# KiCad board musa.kicad_pcb (continued)
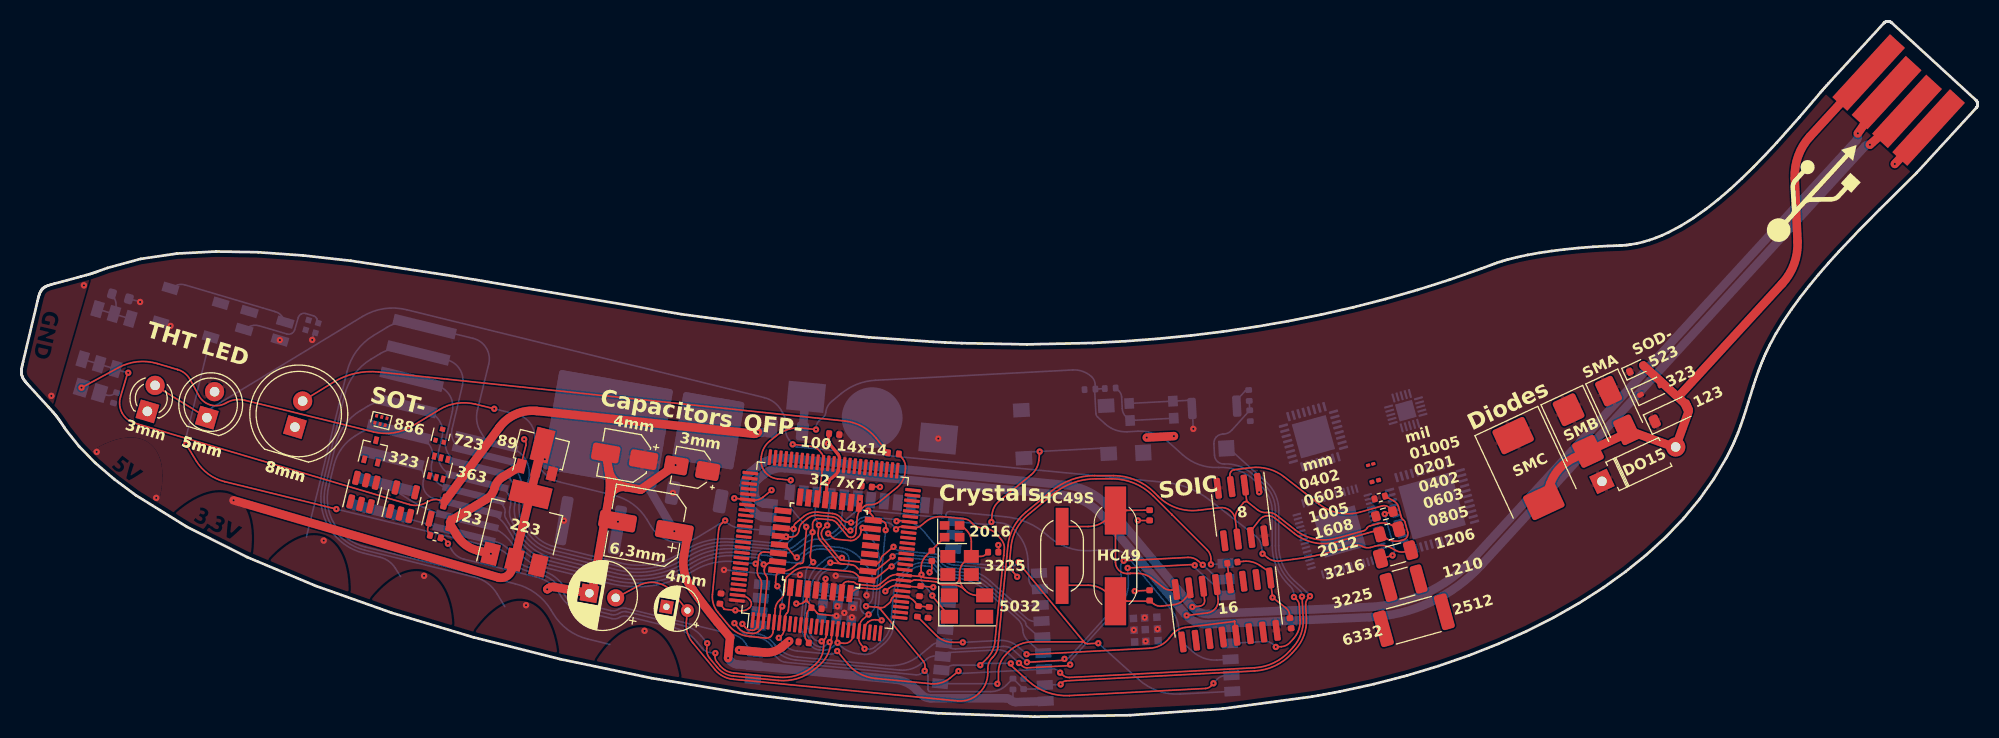
[diagram p0: board, top side]
## Routing (per net, layer and track width the routed paths; a pad name or vN(x,y) marks a point on that pad's centre or on a via; arc(x,y) is an arc through that point) (continued)
SW2: length 85.2
  Top w0.15: v1(87.78,4.27) 87,3.62 arc(86.16,3.17) 85.21,3.08 79.96,3.58 arc(78.55,4.01) 77.41,4.94 v1(76.42,6.14) ; v1(97.3,4.12) 97.56,3.88 arc(97.84,3.72) 98.16,3.67 115.49,4.58 arc(117.31,5.04) 118.81,6.16 119.12,6.5 arc(119.86,7.74) 120.06,9.17 119.96,11.23 arc(119.96,11.24) 119.95,11.24 v1(119.95,11.24) ; v1(70.94,7.38) 71.17,7.56 arc(71.34,7.78) 71.42,8.04 U2.7 71.55,9.42 arc(71.6,9.56) 71.69,9.68 arc(71.79,9.8) 71.84,9.95 U4.1
  Bottom w0.15: v1(70.94,7.38) 71.42,6.8 arc(71.97,6.35) 72.65,6.15 75.78,5.85 arc(76.01,5.87) 76.22,5.98 v1(76.42,6.14) ; v1(119.95,11.24) 119.94,11.44 arc(119.89,11.62) 119.78,11.77 118.96,12.55 arc(117.86,14.11) 117.47,15.99 117.47,19.3 arc(117.18,20.66) 116.36,21.78 115.32,22.72 arc(114.08,23.45) 112.65,23.66 arc(112.32,23.71) 112.04,23.88 arc(111.84,24.15) 111.76,24.47 111.7,25.56 arc(111.75,25.89) 111.92,26.18 arc(112.18,26.37) 112.51,26.46 112.61,26.46 arc(113.03,26.57) 113.38,26.83 R18.2 R17.1 ; v1(97.3,4.12) 97.08,4.31 arc(96.84,4.45) 96.57,4.49 U5.3 88.19,4.05 arc(88.04,4.07) 87.9,4.16 v1(87.78,4.27)
XTAL1: length 24.7
  Top w0.15: U4.8 77.96,11.81 arc(78.33,12) 78.74,12.05 79.89,11.94 arc(80.26,11.97) 80.59,12.15 81.01,12.49 arc(81.49,12.76) 82.05,12.81 U2.33 83.24,12.67 arc(83.37,12.68) 83.48,12.74 arc(83.6,12.8) 83.73,12.82 83.77,12.81 arc(83.95,12.79) 84.14,12.77 84.28,12.76 arc(84.61,12.73) 84.94,12.69 85.66,12.62 arc(85.82,12.58) 85.96,12.48 arc(86.1,12.39) 86.27,12.35 87.17,12.35 ; 87.17,12.35 arc(87.82,12.22) 88.38,11.85 ; 87.17,12.35 arc(87.67,12.56) 87.88,13.06 ; 88.52,14.65 88.43,14.58 arc(88.02,14.08) 87.88,13.46 87.88,13.06 ; 88.52,14.65 arc(88.86,15.06) 88.98,15.59 ; 88.52,14.65 arc(89.01,14.91) 89.56,15 ; C11.1 90.35,15.2 arc(90.13,15.06) 89.87,15 89.56,15 ; Y5.3 89.55,11.35 arc(88.93,11.48) 88.4,11.83 88.38,11.85 ; Y3.3 87.98,17.9 arc(88.07,17.89) 88.15,17.83 88.53,17.45 arc(88.86,16.96) 88.98,16.37 88.98,15.59 ; 87.88,13.06 arc(88.01,12.41) 88.38,11.85 ; 88.98,15.59 arc(89.15,15.18) 89.56,15
XTAL2: length 21
  Top w0.15: 86.24,12.86 Y4.1 ; 84.28,13.38 84.28,13.94 arc(84.4,14.55) 84.75,15.08 Y3.1 ; 84.28,13.38 arc(84.26,13.28) 84.19,13.2 ; 84.28,13.38 arc(84.3,13.28) 84.35,13.19 ; 84.35,13.19 84.41,13.11 arc(84.48,13.06) 84.56,13.03 arc(84.64,13.02) 84.73,13.01 86.31,12.86 ; 84.35,13.19 arc(84.27,13.23) 84.19,13.2 ; Y5.1 85.41,11.2 arc(85.38,11.25) 85.37,11.31 ; U4.7 76.87,12.16 arc(77.07,12.53) 77.47,12.65 77.91,12.61 arc(78.03,12.58) 78.12,12.5 arc(78.22,12.42) 78.33,12.39 79.93,12.23 arc(80.17,12.26) 80.39,12.38 81.16,13.01 arc(81.62,13.25) 82.13,13.3 82.67,13.25 arc(82.68,13.25) 82.69,13.26 arc(82.7,13.26) 82.71,13.26 84,13.14 arc(84.1,13.15) 84.19,13.2
  Bottom w0.15: v1(84.31,13.3) 84.28,13 arc(84.31,12.72) 84.44,12.48 85.14,11.63 arc(85.15,11.62) 85.16,11.62 arc(85.18,11.61) 85.19,11.6 85.38,11.37
  vias: v1(85.32,11.34)
Net-(D2-A): length 61.8
  Top w0.8: 156.18,28.61 154.93,25.19 150.75,26.71 145.41,24.22 arc(144.07,23.24) 143.21,21.81 D7.2 ; J1.1 167.53,54.32 arc(166.43,52.51) 166.11,50.41 166.37,44.48 arc(166.04,42.38) 164.94,40.57 155.16,29.92 ; D2.2 155.92,29.22 arc(155.96,29.17) 155.98,29.11 155.98,29.04
Net-(D11-A): length 56.9
  Top w0.15: R3#2.2 80.04,26.1 arc(78.74,27.18) 77.13,27.68 33.46,32.27 arc(31.27,32.14) 29.24,31.32 D11.2
Net-(D12-DIN): length 8.8
  Bottom w0.15: D13.1 21.31,36.5 arc(21.78,36.65) 22.26,36.6 24.86,35.83 arc(25.09,35.81) 25.31,35.88 arc(25.49,36.03) 25.6,36.23 25.94,37.36 arc(26.04,37.56) 26.21,37.7 arc(26.42,37.77) 26.64,37.75 27.36,37.54 arc(27.53,37.45) 27.65,37.3 27.69,37.22 arc(27.73,37.12) 27.72,37.01 27.68,36.89
Net-(D13-DIN): length 11.7
  Bottom w0.15: D13.3 24.49,37.36 arc(24.2,37.71) 23.8,37.92 22.64,38.26 15.31,40.43 arc(14.85,40.47) 14.4,40.34 D8.2
Net-(D14-K): length 1.7
  Bottom w0.15: R14.2 8.62,30.18 arc(8.3,30.08) 7.98,30.11 D14.1
Net-(D16-A): length 5.2
  Bottom w0.15: D16.2 8.83,38.22 arc(8.87,38.69) 8.73,39.14 R13.1 ; D16.2 D16.2
Net-(D16-K): length 75.1
  Top w0.15: Q1.3 39.14,20.28 arc(38.65,20.33) 38.18,20.18 37.9,20.03 arc(37.14,19.79) 36.35,19.86 10.61,27.49 arc(9.93,27.85) 9.44,28.43 arc(9.21,29.16) 9.28,29.93 9.94,32.14 arc(9.95,32.17) 9.98,32.19 v1(10.01,32.2)
  Top w0.8: Q1.3 44.78,27.09 arc(46.31,28.32) 48.25,28.63 68.64,26.48 arc(68.77,26.5) 68.89,26.56 v1(69,26.65)
  Bottom w0.15: v1(10.01,32.2) 8.89,32.48 arc(8.86,32.49) 8.84,32.52 D16.1 D16.1
  Bottom w0.8: R12.1 69.98,26.78 arc(69.7,26.64) 69.38,26.61 v1(69,26.65)
Net-(D17-K): length 3.3
  Bottom w0.8: R12.2 73.16,26.72 arc(73.16,26.73) 73.17,26.73 73.47,29.95
Net-(Q1-B): length 1.6
  Top w0.15: Q1.1 38.07,17.69 arc(38.06,17.44) 38.14,17.2 R4.2
Net-(SW2-B): length 7.6
  Bottom w0.15: R16.2 102.77,30.53 arc(102.97,30.26) 103.06,29.93 103.11,28.85 arc(103.22,28.41) 103.49,28.05 arc(103.88,27.82) 104.33,27.76 SW2.2
Net-(SW4-B): length 1.5
  Bottom w0.15: 113.85,29.63 114.6,30.47 arc(114.7,30.55) 114.82,30.58 R17.2
Net-(U3-V3): length 1.9
  Top w0.15: C3.2 U3.4
Net-(U3-XI): length 13.4
  Top w0.15: Y2.2 99.93,12.3 arc(100.9,12.11) 101.72,11.56 arc(102.54,11.01) 103.51,10.82 105.58,10.82 arc(105.62,10.82) 105.67,10.82 arc(105.71,10.82) 105.74,10.8 106.05,10.56 arc(106.41,10.38) 106.82,10.35 107.95,10.49 arc(108.56,10.69) 109.04,11.11 109.33,11.48 arc(109.42,11.65) 109.43,11.85 U3.7
Net-(U3-XO): length 21.8
  Top w0.15: 102.48,18.24 102.48,14.47 arc(102.79,13.71) 103.55,13.4 103.82,13.4 arc(103.84,13.4) 103.85,13.41 arc(103.86,13.42) 103.87,13.42 104.56,13.42 arc(105.23,13.31) 105.82,12.99 107.01,12.06 arc(107.35,11.89) 107.74,11.86 U3.8 ; 102.48,18.24 arc(102.21,18.65) 101.73,18.55 ; 102.48,18.24 arc(102.79,19) 103.54,19.31 ; Y2.1 99.92,17.8 arc(100.9,18) 101.73,18.55 ; 103.54,19.31 C13.1 ; 103.54,19.31 arc(102.56,19.11) 101.73,18.55

## Copper pours and planes (outline as drawn; the poured copper is in the pictures)
+3.3V on Top, Bottom: 19.39,20.89 19.24,20.93 19.07,20.96 18.9,20.99 18.73,21 18.55,21.01 18.37,21 18.19,20.99 18,20.96 17.81,20.93 17.61,20.88 17.42,20.83 17.21,20.77 17.01,20.69 16.59,20.51 16.18,20.3 15.75,20.05 15.33,19.76 14.91,19.45 14.5,19.1 14.08,18.72 13.67,18.32 13.27,17.89 12.88,17.43 12.49,16.95 12.11,16.44 11.75,15.91 11.4,15.37 11.06,14.8 10.74,14.22 15.15,11.87 19.57,9.52 19.87,10.12 20.15,10.71 20.4,11.31 20.64,11.91 20.85,12.5 21.03,13.09 21.19,13.68 21.32,14.25 21.43,14.82 21.51,15.37 21.56,15.91 21.59,16.44 21.59,16.94 21.56,17.43 21.51,17.9 21.42,18.34 21.37,18.56 21.31,18.76 21.25,18.95 21.17,19.14 21.09,19.32 21.01,19.49 20.92,19.65 20.82,19.8 20.72,19.95 20.61,20.08 20.5,20.21 20.38,20.32 20.25,20.43 20.12,20.53 19.99,20.62 19.85,20.7 19.7,20.77 19.55,20.83
GND on Top: 76.17,10.7 77.91,10.53 78.11,12.12 78.98,12.04 79.48,9.33 79.44,8.68 76,9.01
GND on Top: 106.71,6.59 100.21,6.19 96.86,10.24 97.01,12.19 101.56,11.99 103.55,10.69 105.65,10.8 106.17,10.33 107.88,10.48 107.93,7.97
GND on Top, Bottom: 6.74,42.2 2.29,26.9 -2.05,29.76 0.35,41.76
GND on Bottom: 74.33,13.1 78.88,12.65 78.48,8.05 73.98,8.5
GND on Bottom: 103.43,9.86 107.08,10.11 107.28,6.51 103.58,6.26
GND on Bottom: 75.75,31.89 83.61,31.13 82.95,24.31 75.09,25.12
GND on Bottom: -18.92,69.35 192.38,69.35 192.38,-11.35 -18.92,-11.35
VCC on Top: -19.52,65.85 191.78,65.85 191.78,-14.85 -19.52,-14.85
VCC on Top, Bottom: 11.54,25.87 11.39,25.94 11.23,26 11.07,26.04 10.9,26.08 10.73,26.11 10.55,26.13 10.36,26.14 10.17,26.14 9.98,26.14 9.78,26.12 9.57,26.09 9.36,26.06 9.15,26.01 8.72,25.89 8.27,25.74 7.82,25.55 7.36,25.33 6.9,25.07 6.44,24.79 5.98,24.47 5.52,24.13 5.06,23.75 4.6,23.36 4.15,22.93 3.71,22.48 3.28,22.01 2.85,21.52 2.44,21.01 2.04,20.48 6.08,17.54 10.13,14.6 10.51,15.14 10.87,15.7 11.21,16.25 11.52,16.81 11.81,17.37 12.08,17.93 12.31,18.48 12.53,19.04 12.71,19.58 12.87,20.12 13,20.65 13.1,21.16 13.17,21.66 13.21,22.15 13.22,22.62 13.2,23.07 13.17,23.29 13.14,23.5 13.1,23.7 13.06,23.9 13.01,24.09 12.95,24.26 12.88,24.44 12.8,24.6 12.72,24.76 12.63,24.91 12.54,25.05 12.43,25.18 12.33,25.3 12.21,25.42 12.09,25.53 11.96,25.63 11.83,25.72 11.69,25.8
(no net) on Top, Bottom: 3.17,36.71 3.27,37.36 3.02,37.62 2.63,37.71 2.27,37.59 2.03,36.98
(no net) on Top, Bottom: 2.65,34.46 2.46,33.83 2.12,33.71 1.73,33.8 1.46,34.06 1.51,34.72
11/MOSI on Top, Bottom: 58.02,8.38 57.85,8.37 57.68,8.35 57.52,8.33 57.35,8.29 57.18,8.25 57.01,8.19 56.83,8.12 56.66,8.04 56.49,7.95 56.31,7.85 56.14,7.74 55.97,7.62 55.79,7.49 55.45,7.2 55.11,6.87 54.78,6.51 54.46,6.12 54.15,5.69 53.86,5.24 53.57,4.75 53.3,4.25 53.04,3.72 52.79,3.16 52.57,2.59 52.35,2 52.16,1.38 51.98,0.76 51.82,0.12 51.69,-0.53 56.59,-1.49 61.5,-2.44 61.62,-1.78 61.71,-1.13 61.78,-0.49 61.83,0.15 61.85,0.78 61.86,1.4 61.84,2.01 61.8,2.59 61.74,3.17 61.65,3.72 61.55,4.25 61.42,4.76 61.27,5.25 61.1,5.71 60.91,6.14 60.7,6.54 60.59,6.72 60.47,6.9 60.35,7.07 60.23,7.23 60.1,7.37 59.97,7.51 59.83,7.64 59.7,7.76 59.56,7.86 59.41,7.96 59.27,8.05 59.12,8.12 58.97,8.19 58.82,8.25 58.66,8.29 58.5,8.33 58.34,8.35 58.18,8.37
12/MISO on Top, Bottom: 46.81,10.84 46.64,10.84 46.48,10.83 46.31,10.82 46.14,10.79 45.96,10.75 45.79,10.7 45.61,10.64 45.44,10.58 45.26,10.5 45.08,10.41 44.9,10.3 44.72,10.19 44.54,10.07 44.18,9.8 43.83,9.49 43.48,9.14 43.14,8.77 42.81,8.36 42.49,7.92 42.18,7.45 41.88,6.96 41.59,6.45 41.32,5.91 41.06,5.34 40.82,4.76 40.59,4.16 40.38,3.55 40.19,2.92 40.02,2.27 44.87,1.06 49.72,-0.15 49.87,0.5 50,1.15 50.11,1.79 50.19,2.43 50.24,3.05 50.28,3.67 50.29,4.28 50.28,4.87 50.25,5.44 50.19,6 50.12,6.54 50.02,7.05 49.89,7.54 49.75,8.01 49.58,8.45 49.39,8.86 49.29,9.05 49.18,9.24 49.07,9.41 48.96,9.57 48.84,9.73 48.71,9.87 48.59,10.01 48.46,10.13 48.32,10.25 48.18,10.35 48.04,10.44 47.9,10.53 47.75,10.6 47.6,10.67 47.45,10.72 47.29,10.77 47.13,10.8 46.97,10.82
A4/SDA on Top, Bottom: 37.33,13.61 37.17,13.62 37,13.63 36.83,13.62 36.66,13.61 36.48,13.58 36.31,13.54 36.13,13.5 35.95,13.44 35.77,13.37 35.58,13.3 35.39,13.21 35.21,13.11 35.02,13 34.64,12.75 34.26,12.47 33.89,12.15 33.53,11.8 33.17,11.41 32.82,11 32.48,10.55 32.15,10.08 31.82,9.59 31.51,9.07 31.22,8.53 30.93,7.96 30.67,7.38 30.41,6.78 30.18,6.17 29.96,5.54 34.72,3.99 39.47,2.45 39.67,3.08 39.84,3.72 39.99,4.35 40.12,4.98 40.22,5.6 40.3,6.22 40.35,6.82 40.38,7.41 40.39,7.98 40.37,8.54 40.33,9.09 40.27,9.61 40.18,10.11 40.07,10.58 39.93,11.03 39.77,11.45 39.68,11.65 39.59,11.84 39.49,12.02 39.39,12.2 39.28,12.36 39.17,12.51 39.05,12.65 38.93,12.79 38.8,12.91 38.67,13.02 38.54,13.13 38.4,13.22 38.26,13.31 38.11,13.38 37.96,13.45 37.81,13.5 37.65,13.55 37.5,13.58
A5/SCL on Top, Bottom: 27.89,16.95 27.72,16.97 27.56,16.99 27.39,16.99 27.21,16.98 27.04,16.97 26.86,16.94 26.68,16.9 26.49,16.85 26.31,16.8 26.12,16.73 25.93,16.65 25.74,16.56 25.54,16.46 25.15,16.24 24.76,15.97 24.38,15.67 23.99,15.34 23.62,14.97 23.24,14.58 22.88,14.15 22.52,13.7 22.17,13.22 21.84,12.72 21.51,12.2 21.2,11.65 20.9,11.08 20.62,10.5 20.35,9.89 20.1,9.27 29.44,5.69 29.67,6.32 29.87,6.94 30.06,7.57 30.21,8.19 30.35,8.8 30.46,9.41 30.54,10.01 30.61,10.6 30.64,11.17 30.66,11.73 30.65,12.28 30.61,12.8 30.55,13.3 30.46,13.78 30.35,14.24 30.21,14.67 30.13,14.88 30.05,15.07 29.96,15.26 29.86,15.43 29.76,15.6 29.66,15.76 29.55,15.91 29.43,16.05 29.32,16.18 29.19,16.3 29.06,16.41 28.93,16.51 28.79,16.6 28.65,16.68 28.51,16.76 28.36,16.82 28.2,16.87 28.05,16.91

## Text on the board
B.Silkscreen: TO263 / D2PAK | TO252 / DPAK | 8mm 1-3W | 4,6x2,8 | 6x3,5 | 3,9x2,9 | 6x6 | 32 5x5 | 56 7x7 | 20 3x3 | 44 7x7 | 2010 | 5050 | 3535 | 1515 | 2,54mm | 1,27mm | ESP32-S3 / Wroom-1 | ESP32-C3 / Wroom-02 | Adressable | Switches | QFN- | CERN OHL-P | 0,8 | BGA-100 | 0,35 | 0,65 | 0,5 | ping-el.se | Musa 1,1
F.Silkscreen: 3mm | 5mm | 8mm | 323 | 886 | 723 | 363 | 23 | 89 | 223 | 6,3mm | 4mm | 100 14x14 | 32 7x7 | 2016 | 3225 | 5032 | HC49S | HC49 | SMC | SMB | SMA | DO15 | SOD- | 523 | 123 | 16 | 8 | 0402 | mm | 0603 | 1005 | 1608 | 2012 | 3216 | 6332 | mil | 01005 | 0201 | 0805 | 1206 | 1210 | 2512 | THT LED | SOT- | Capacitors | QFP- | Crystals | SOIC | Diodes
